# Altium PCB SoDeRa-PCIe_1v0.PcbDoc (part 5 of 8) (continued)
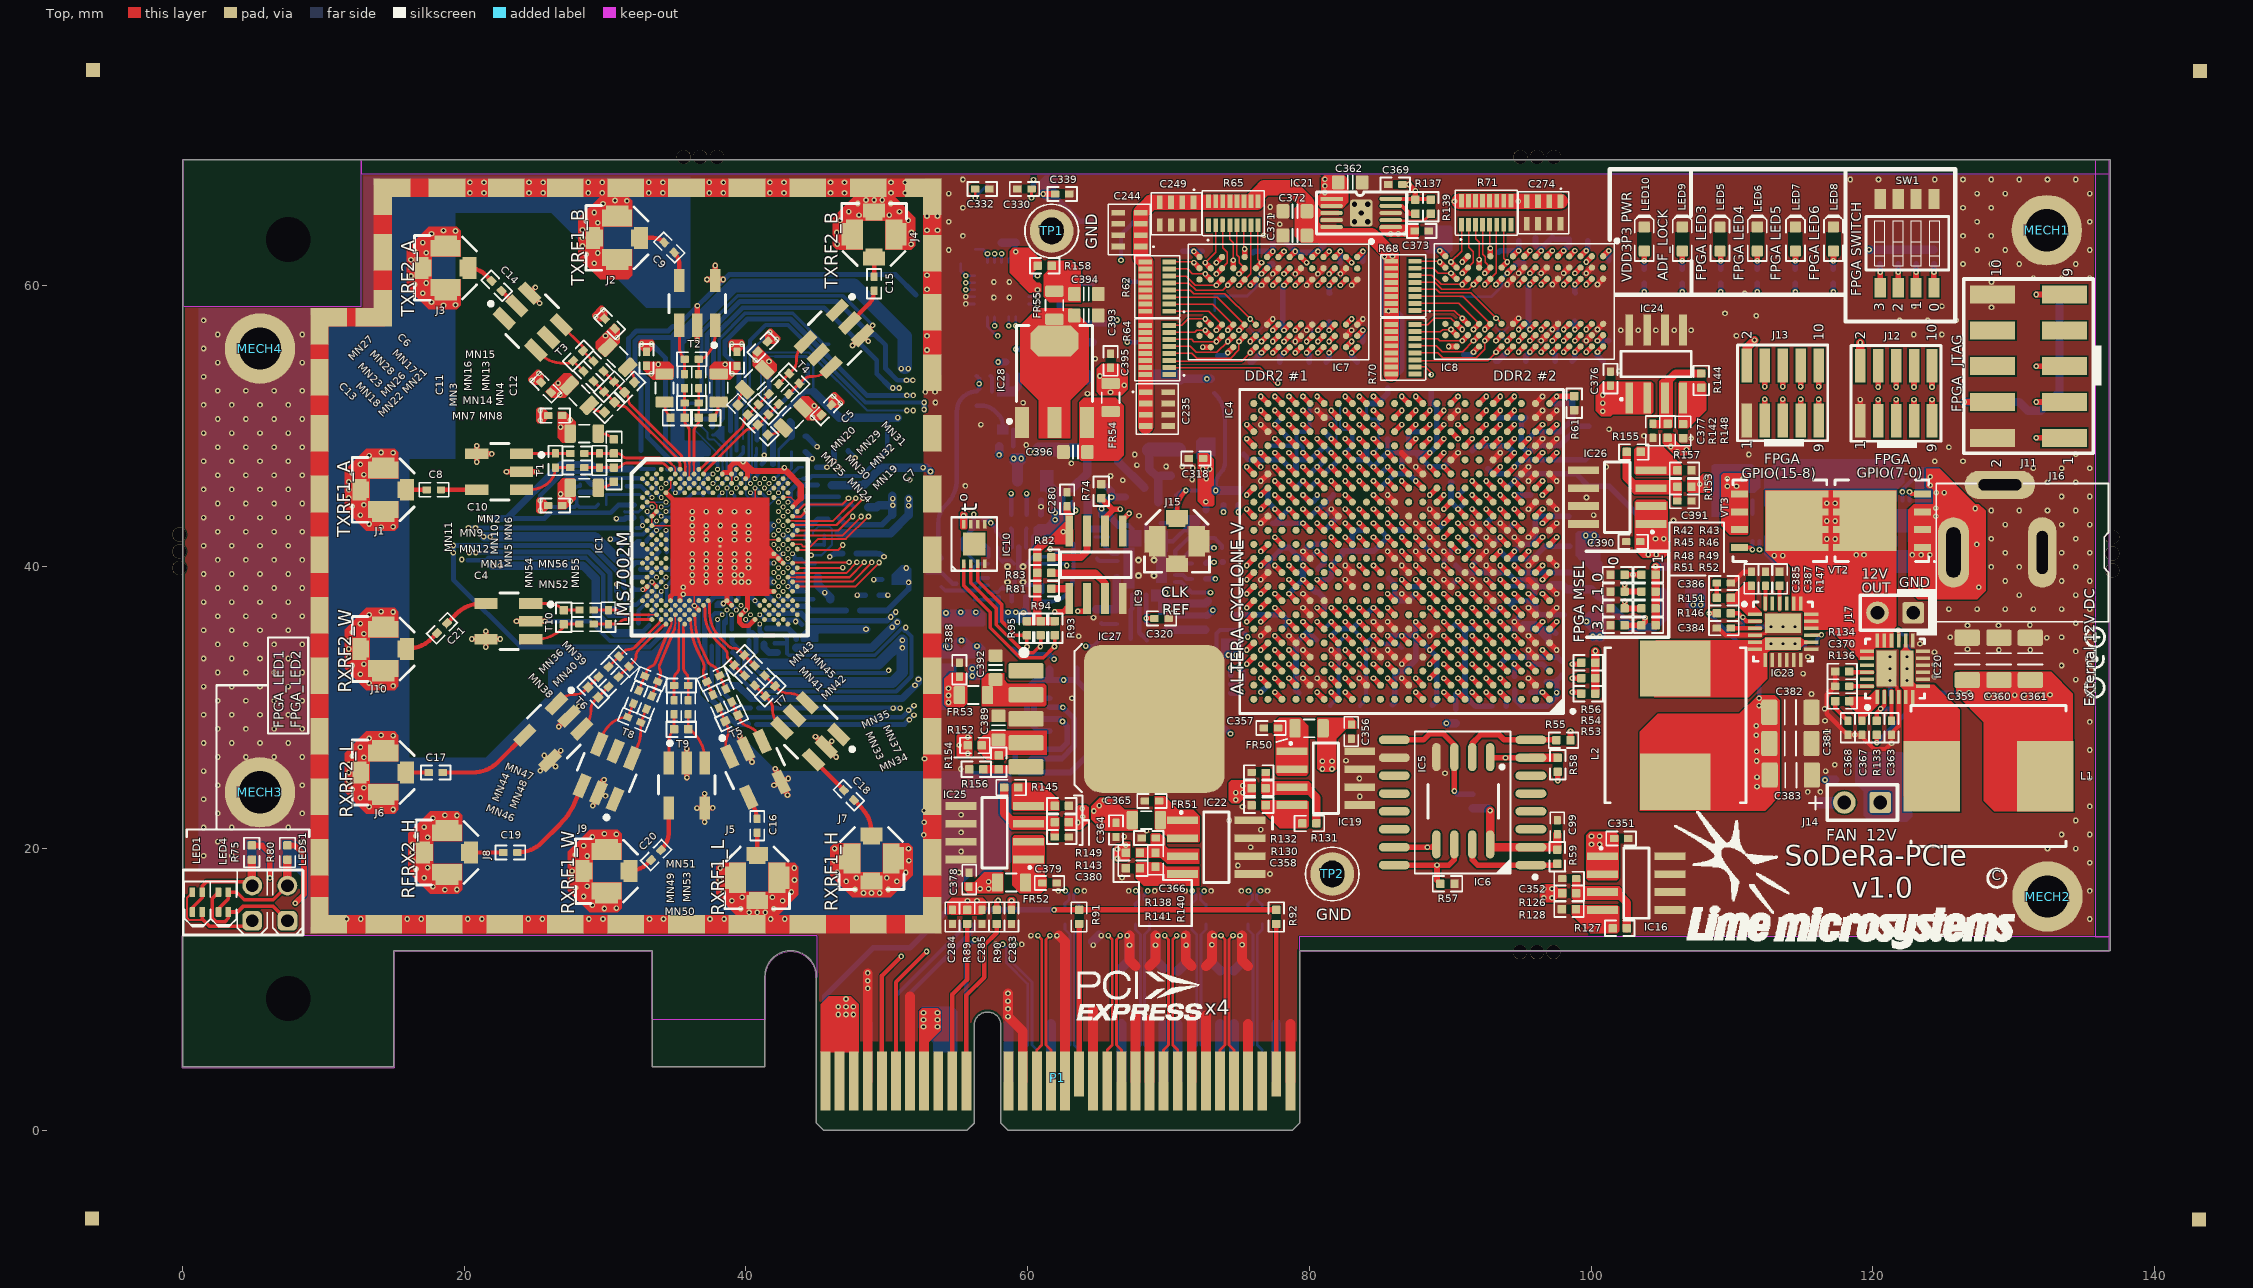
[diagram p0: Top view]
## Nets (pads, with @x,y where several pads share a name; then routed paths per layer and width w, separated by ;. In a path a pad name is that pad's centre, name@x,y a point inside that pad or via, vN(x,y) a via of type N, cw(c..) or ccw(c..) an arc to the next point about the centre after c; other vN are vias at no path point) (continued)
  L8 w0.1: v3(40.979,45.928) 40.979,38.171 42,37.15 49.75,37.15 50.3,37.7 55.525,37.7 55.9,37.325 55.9,35.883 61.758,30.025 v1(62.5,30.025)
  L9 w0.1: v3(40.979,45.928) v3@40.987,45.936
  Bottom w0.4: R14.2@60.125,26.225 60.3,26.4 IC2.5@61.55,26.4 62.425,26.4 63.3,27.275 63.3,29.225 v1(62.5,30.025) IC3.5@61.55,30.025
LMS_MCLK1: IC1.AB34 IC4.K10 | length 55.1
  Top w0.15: IC1.AB34@43.643,39.934 46.875,39.934 v1@46.959,39.934
  Top w0.4: v1(87.55,40.1) IC4.K10@88.05,39.6
  L4 w0.1: v1(46.875,39.95) 46.575,40.25 46.575,40.472 47.528,41.425 58.108,41.425 58.683,40.85 59.25,40.85 59.825,41.425 60.3,41.425 60.875,40.85 61.675,40.85 62.25,41.425 62.7,41.425 63.275,40.85 63.75,40.85 64.325,41.425 64.8,41.425 65.375,40.85 65.825,40.85 66.4,41.425 66.65,41.425 66.9,41.175 67.175,41.175 67.7,41.7 68.881,41.7 69.631,40.95 69.975,40.95 70.025,40.95 ccw(c70.025,41.3) 70.375,41.3 cw(c70.775,41.3) 70.775,41.7 cw(c70.775,41.3) 71.175,41.3 ccw(c71.525,41.3) 71.525,40.95 71.625,40.95 ccw(c71.625,41.3) 71.975,41.3 cw(c72.375,41.3) 72.375,41.7 cw(c72.375,41.3) 72.775,41.3 ccw(c73.125,41.3) 73.125,40.95 73.425,40.95 73.475,40.95 ccw(c73.475,41.3) 73.825,41.3 cw(c74.225,41.3) 74.225,41.7 cw(c74.225,41.3) 74.625,41.3 ccw(c74.975,41.3) 74.975,40.95 75.425,40.95 75.85,40.95 76.45,41.55 76.9,41.55 77.375,41.55 77.975,41.55 cw(c77.975,41.35) 78.175,41.35 ccw(c78.575,41.35) 78.575,40.95 ccw(c78.575,41.35) 78.975,41.35 cw(c79.175,41.35) 79.175,41.55 79.375,41.55 80.595,41.55 80.9,41.245 80.9,40.825 81.275,40.45 81.625,40.45 81.725,40.45 ccw(c81.725,40.75) 82.025,40.75 cw(c82.425,40.75) 82.425,41.15 cw(c82.425,40.75) 82.825,40.75 ccw(c83.125,40.75) 83.125,40.45 83.325,40.45 ccw(c83.325,40.75) 83.625,40.75 cw(c84.025,40.75) 84.025,41.15 cw(c84.025,40.75) 84.425,40.75 ccw(c84.725,40.75) 84.725,40.45 85.1,40.45 85.35,40.2 85.35,39.875 85.575,39.65 87.1,39.65 v1(87.55,40.1)
LMS_MCLK2: IC1.P34 IC4.M8 | length 59.2
  Top w0.15: IC1.P34@43.643,42.598 46.573,42.598 47.562,43.588 v1@47.575,43.6
  Top w0.4: IC4.M8@90.05,41.6 v1(90.55,41.1)
  L4 w0.1: v1(47.575,43.575) 47.925,43.925 48.875,43.925 49.2,43.6 49.2,42.65 49.725,42.125 51.025,42.125 ccw(c51.025,42.525) 51.425,42.525 cw(c51.825,42.525) 51.825,42.925 cw(c51.825,42.525) 52.225,42.525 ccw(c52.625,42.525) 52.625,42.125 ccw(c52.625,42.525) 53.025,42.525 cw(c53.425,42.525) 53.425,42.925 cw(c53.425,42.525) 53.825,42.525 ccw(c54.225,42.525) 54.225,42.125 ccw(c54.225,42.525) 54.625,42.525 cw(c55.025,42.525) 55.025,42.925 cw(c55.025,42.525) 55.425,42.525 ccw(c55.825,42.525) 55.825,42.125 ccw(c55.825,42.525) 56.225,42.525 cw(c56.625,42.525) 56.625,42.925 cw(c56.625,42.525) 57.025,42.525 ccw(c57.425,42.525) 57.425,42.125 57.825,42.125 57.95,42.125 67.276,42.125 68.701,43.55 69.15,43.55 69.55,43.55 69.95,43.55 cw(c69.95,43.15) 70.35,43.15 70.35,43.05 ccw(c70.75,43.05) 70.75,42.65 ccw(c70.75,43.05) 71.15,43.05 71.15,43.15 cw(c71.55,43.15) 71.55,43.55 cw(c71.55,43.15) 71.95,43.15 71.95,43.05 ccw(c72.35,43.05) 72.35,42.65 ccw(c72.35,43.05) 72.75,43.05 72.75,43.15 cw(c73.15,43.15) 73.15,43.55 cw(c73.15,43.15) 73.55,43.15 73.55,43.05 ccw(c73.95,43.05) 73.95,42.65 ccw(c73.95,43.05) 74.35,43.05 74.35,43.15 cw(c74.75,43.15) 74.75,43.55 cw(c74.75,43.15) 75.15,43.15 75.15,43.05 ccw(c75.55,43.05) 75.55,42.65 ccw(c75.55,43.05) 75.95,43.05 75.95,43.15 cw(c76.35,43.15) 76.35,43.55 76.6,43.55 79.595,43.55 81.395,41.75 85.122,41.75 85.322,41.55 90.1,41.55 v1(90.55,41.1)
LMS_RESET: IC1.E27 IC4.A1 R7.1 | length 68.2
  Top w0.4: v1(96.55,31.1) IC4.A1@97.05,30.6
  L8 w0.1: v3(41.312,45.595) 46.934,45.595 47.377,46.038 49,46.038 49.213,45.825 52.024,45.825 56.224,41.625 67.611,41.625 68.436,42.45 91.695,42.45 92.9,41.245 92.9,37.955 92.2,37.255 92.2,36.955 96.55,32.605 v1(96.55,31.1)
  Bottom w0.4: R7.1@95.725,31.1 v1(96.55,31.1)
LMS_RXEN: IC1.V34 IC4.C2 R3.2 | length 60.3
  Top w0.15: IC1.V34@43.643,41.266 43.643,41.201 46.551,41.201 v1@46.875,41.525
  Top w0.4: v1(95.55,33.1) IC4.C2@96.05,32.6
  L8 w0.1: v1@46.875,41.525 46.925,41.475 52.162,41.475 58.912,34.725 64.27,34.725 64.545,34.45 82.695,34.45 86.845,30.3 93.245,30.3 94.9,31.955 94.9,32.45 v1(95.55,33.1)
  Bottom w0.4: v1(95.55,33.1) 96.55,33.1 R3.2@96.825,32.825
  other v1: 46.875,41.55
LMS_TXEN: IC1.U29 IC4.A7 R6.2 | length 59.3
  Top w0.4: v1(90.55,31.1) IC4.A7@91.05,30.6
  L4 w0.1: v3(41.978,41.599) 41.4,41.021 41.4,37.821 42.496,36.725 48.597,36.725 50.172,35.15 57.45,35.15 60.016,32.584 72.259,32.584 73.9,34.225 74.93,34.225 76.405,32.75 84.4,32.75 85.4,31.75 89.395,31.75 90.045,31.1 v1(90.55,31.1)
  Bottom w0.4: R6.2@90.4,29.9 90.4,30.95 v1(90.55,31.1)
LMS_TXNRX1: IC1.V32 IC4.C3 R5.2 | length 59.3
  Top w0.4: v1(94.55,33.1) IC4.C3@95.05,32.6
  L4 w0.1: v3(42.977,41.266) 43.161,41.45 44.85,41.45 45.3,41.9 67.334,41.9 67.884,42.45 75.625,42.45 80.412,42.45 81.312,41.55 84.605,41.55 85.405,40.75 89.395,40.75 91.1,39.045 91.1,38.045 92.1,37.045 92.1,35.045 94.045,33.1 v1(94.55,33.1)
  Bottom w0.4: v1(94.55,33.1) 94.55,32.25 R5.2@94.575,32.225
LMS_TXNRX2: IC1.U31 IC4.A4 R2.2 | length 58.5
  Top w0.4: v1(93.55,31.1) IC4.A4@94.05,30.6
  L9 w0.1: v3(42.644,41.599) 44.137,41.599 44.279,41.456 46.144,41.456 46.525,41.075 61.05,41.075 62.55,39.575 63.5,39.575 63.7,39.775 72.2,39.775 73.225,38.75 79.395,38.75 81.395,36.75 87.395,36.75 91.495,32.65 93.495,32.65 93.9,32.245 93.9,31.45 v1(93.55,31.1)
  Bottom w0.4: v1(93.55,31.1) 93.975,30.675 R2.2@93.975,30.1
MSEL0: IC4.T6 R42.1 R43.2 | length 16.9
  Top w0.4: v1(91.55,46.1) IC4.T6@92.05,45.6 ; R42.1@102.375,39.45 v1(102.975,39.45) R43.2@103.575,39.45
  L4 w0.1: v1(91.55,46.1) 92.05,46.6 96.545,46.6 102.975,40.17 v1(102.975,39.45)
MSEL1: IC4.P5 R45.1 R46.2 | length 14.7
  Top w0.4: v1(92.55,44.1) IC4.P5@93.05,43.6 ; v1(102.375,38.75) R45.1@102.375,38.25 R46.2@103.575,38.25
  L4 w0.1: v1(92.55,44.1) 92.9,44.45 95.705,44.45 101.405,38.75 v1(102.375,38.75)
MSEL2: IC4.R5 R48.1 R49.2 | length 16.9
  Top w0.4: v1(92.55,45.1) IC4.R5@93.05,44.6 ; v1(102.375,37.55) R48.1@102.375,37.05 R49.2@103.575,37.05
  L4 w0.1: v1(92.55,45.1) 92.9,45.45 95.705,45.45 102.055,39.1 102.52,39.1 102.725,38.895 102.725,37.9 v1(102.375,37.55)
MSEL3: IC4.P4 R51.1 R52.2 | length 16
  Top w0.4: v1(93.55,44.1) IC4.P4@94.05,43.6 ; R51.1@102.375,35.85 R52.2@103.575,35.85 103.825,36.1 v1(103.825,36.4)
  L4 w0.1: v1(93.55,44.1) 93.9,43.75 95.395,43.75 102.745,36.4 v1(103.825,36.4)
NetC1_1: C1.1 IC1.C29 R11.1 | length 4.6
  Bottom w0.2: v3(41.978,46.261) 42.094,46.376 42.182,46.376 42.324,46.518 42.324,48.331 43.124,49.131 R11.1@43.124,49.206
  Bottom w0.5: C1.1@43.125,50.324 43.225,50.224 R11.1@43.225,49.275
NetC8_1: C8.1 J1.1 | length 1.5
  Top w0.309: J1.1@15.85,45.475 J1.1@15.95,45.475 C8.1@17.35,45.475
NetC8_2: C8.2 T1.4 | length 2.5
  Top w0.309: C8.2@18.35,45.475 T1.4@20.882,45.475
NetC9_1: C9.1 J2.1 | length 1.8
  Top w0.309: J2.1@32.45,63.36 33.396,63.36 cw(c33.396,62.228) C9.1@34.196,63.029
NetC9_2: C9.2 T2.4 | length 2.1
  Top w0.309: C9.2@34.904,62.321 cw(c34.008,61.426) 35.274,61.426 T2.4@35.274,60.331
NetC14_1: C14.1 J3.1 | length 2
  Top w0.309: J3.1@20.275,61.225 cw(c20.275,59.414) 20.278,61.225 cw(c20.275,59.414) 21.555,60.695 C14.1@21.946,60.304
NetC14_2: C14.2 T3.2 | length 2
  Top w0.309: C14.2@22.604,59.646 23.714,58.536 T3.2@23.735,58.536 T3.2@23.424,58.846
NetC15_1: C15.1 J4.1 | length 1.4
  Top w0.309: C15.1@49.1,60.6 J4.1@49.1,61.9 J4.1@49.1,62
NetC15_2: C15.2 T4.2 | length 2.9
  Top w0.309: T4.2@47.38,57.324 48.707,58.65 ccw(c47.757,59.6) C15.2@49.1,59.6
NetC16_1: C16.1 J5.1 | length 1.6
  Top w0.309: J5.1@40.8,19.525 J5.1@40.8,19.625 C16.1@40.8,21.125
NetC16_2: C16.2 T5.6 | length 1.7
  Top w0.309: T5.6@40.194,23.658 40.675,22.7 C16.2@40.8,22.125
NetC17_1: C17.1 J6.1 | length 1.6
  Top w0.309: J6.1@15.85,25.4 C17.1@17.475,25.4
NetC17_2: C17.2 T6.6 | length 6.8
  Top w0.309: C17.2@18.475,25.4 20.6,25.4 ccw(c20.6,27.94) 22.396,26.144 T6.6@24.3,28.048
NetC18_1: C18.1 J7.1 | length 3
  Top w0.309: C18.1@47.662,23.442 48.172,22.931 cw(c46.376,21.135) 48.916,21.135 J7.1@48.916,21 J7.1@48.916,20.9
NetC18_2: C18.2 T7.3 | length 3.1
  Top w0.309: T7.3@44.773,26.331 T7.3@44.798,26.306 ; T7.3@44.822,26.281 T7.3@44.798,26.306 ; C18.2@46.955,24.149 T7.3@44.798,26.306
NetC19_1: C19.1 J8.1 | length 2.4
  Top w0.309: J8.1@20.375,19.725 C19.1@22.775,19.725
NetC19_2: C19.2 T8.3 | length 6.9
  Top w0.309: C19.2@23.775,19.725 ccw(c23.775,22.2) 25.525,20.45 26.775,21.7 27.375,22.4 27.675,22.9 T8.3@28.356,24.462
NetC20_1: C20.1 J9.1 | length 1.9
  Top w0.309: J9.1@31.6,18.4 ccw(c31.6,20.512) 33.094,19.019 C20.1@33.263,19.188
NetC20_2: C20.2 T9.6 | length 3.5
  Top w0.309: C20.2@33.97,19.895 ccw(c32.62,21.245) 34.529,21.245 T9.6@34.529,22.893 T9.6@34.529,22.516
NetC21_1: C21.1 J10.1 | length 2.6
  Top w0.309: J10.1@15.85,34.175 15.893,34.175 ccw(c15.893,36.715) J10.1@15.95,34.175 ccw(c15.893,36.715) 17.689,34.919 C21.1@18.069,35.299
NetC21_2: C21.2 T10.6 | length 3.2
  Top w0.309: C21.2@18.776,36.006 19.433,36.663 cw(c21.229,34.867) 21.229,37.407 T10.6@21.541,37.407
NetC22_1: C22.1 C23.1 IC1.AH30 R23.2 | length 2.6
  Bottom w0.3: v3(42.311,37.936) 42.54,37.706 R23.2@44.774,37.706
NetC24_1: C24.1 C25.1 IC1.T32 R19.2 | length 4.7
  Top w0.11: IC1.T32@42.98,41.929 44.302,41.929 v1(44.424,41.806)
  Bottom w0.11: C24.1@45.574,41.651 R19.2@45.574,42.256
  Bottom w0.25: C25.1@44.194,42.356 44.194,42.036 44.674,41.556 45.479,41.556 C24.1@45.544,41.621 ; C24.1@45.544,41.531 C24.1@45.544,41.621 ; R19.2@45.574,42.256 45.544,42.226 C24.1@45.544,41.621
NetC26_1: C26.1 C27.1 IC1.AE29 R20.1 | length 8.7
  Bottom w0.3: C27.1@40.699,39.176 41.736,39.176 v3(41.978,38.935)
  Bottom w0.4: 41.124,39.106 41.124,38.406 42.319,37.211 44.319,37.211 44.63,36.9 R20.1@47.1,36.9
NetC28_1: C28.1 C29.1 IC1.R31 R16.1 | length 4.1
  Bottom w0.35: v3(42.644,42.265) 42.777,42.131
  Bottom w0.37: 42.777,42.131 42.792,42.116 43.209,42.116 43.524,42.431 C29.1@43.524,42.984 44.701,42.984 45.124,43.406 R16.1@45.824,43.406
NetC30_1: C30.1 C31.1 IC1.W31 R24.2 | length 2.6
  Bottom w0.2: C30.1@40.679,41.481 41.299,41.481 R24.2@41.374,41.556
  Bottom w0.25: R24.2@41.374,41.556 41.374,41.531 41.694,41.211 41.8,41.211 42.276,40.735 C31.1@42.276,40.629
  Bottom w0.3: C31.1@42.276,40.629 42.579,40.933 v3(42.644,40.933)
NetC32_1: C32.1 C33.1 IC1.H32 R21.2 | length 3.3
  Bottom w0.35: C32.1@43.425,44.636 43.018,44.636 43.169,44.788 43.169,45.435 43.54,45.806 R21.2@45.074,45.806
  other v3: 42.977,44.596
NetC34_1: C34.1 C35.1 IC1.W33 R17.2 | length 2
  Bottom w0.3: v3(43.31,40.933) 43.449,40.794 C35.1@43.449,40.536 43.949,40.536 44.224,40.261 C34.1@44.229,40.256 R17.2@44.899,40.256
NetC36_1: C36.1 C37.1 IC1.AA29 R22.1 | length 12.7
  L8 w0.35: v3(41.978,40.267) 41.978,40.237 41.528,39.787 41.528,38.082 42.125,37.486 46.661,37.486 48.275,39.1 v1(49.075,39.1)
  Bottom w0.3: C37.1@40.699,40.276 40.709,40.267 v3(41.978,40.267)
  Bottom w0.35: v1(49.075,39.1) R22.1@49.65,39.1
NetC38_1: C38.1 C39.1 IC1.L33 R18.1 | length 5
  Top w0.2: IC1.L33@43.31,43.597 43.31,43.555 43.88,43.555 44.275,43.95 v1(44.275,44.025)
  Bottom w0.3: v1(44.275,44.025) 44.449,44.199 C39.1@44.449,44.426 45.224,44.426 45.949,44.426 45.95,44.425 47.461,44.425 47.463,44.426 47.499,44.426 R18.1@47.675,44.25
NetC40_1: C40.1 FR2.2 IC1.C25 | length 1.4
  Bottom w0.25: v3(40.646,46.261) 40.646,46.348 41.024,46.726 FR2.2@41.824,46.726
NetC41_1: C41.1 IC1.D24 R25.1 | length 2.7
  Bottom w0.22: v3(40.313,45.928) 40.261,45.98 40.261,46.518 40.694,46.951 C41.1@40.694,47.931 ; C41.1@40.744,47.931 R25.1@40.744,48.446
NetC42_1: C42.1 FR1.1 IC1.F8 R26.1 | length 3.5
  Bottom w0.25: R26.1@34.799,45.751 34.799,45.448 v3(34.985,45.262)
  Bottom w0.35: FR1.1@34.424,46.951 C42.1@35.2,46.951 35.449,46.701 35.449,45.506 35.204,45.262 v3(34.985,45.262)
NetC43_1: C43.1 FR4.2 IC1.F24 | length 1.6
  Bottom w0.3: v3(40.313,45.262) 40.378,45.262 40.833,44.806 C43.1@40.919,44.806 FR4.2@40.919,44.031
NetC44_1: C44.1 FR7.1 IC1.E21 | length 53.4
  L4 w0.7: v1(51.85,53.25) 51.75,53.35 50.156,53.35 49.775,52.969 49.775,52.431 49.803,52.403 49.775,52.375 50.9,51.25 v1@51.931,51.25
  Bottom w0.15: v3(39.314,45.595) 39.753,46.034 39.753,46.71 40.199,47.156 40.199,50.817 41.055,51.673 41.055,54.853 41.428,55.225 44.475,55.225 48.6,51.1 v1(51.425,51.1) v1(51.875,51.1) v1@51.975,51.1
  Bottom w0.35: C44.1@36.781,51.071 37.465,51.071 FR7.1@37.486,51.05 37.486,53.606 37.244,53.848 37.244,56.514 39.58,58.85 46.475,58.85 48.831,56.494 49.156,56.494 49.912,55.738 49.912,54.088 50.75,53.25 v1(51.4,53.25) v1(51.85,53.25)
NetC45_1: C45.1 FR6.1 IC1.D16 | length 7
  Bottom w0.15: C45.1@36.063,51.05 36.063,50.748 FR6.1@36.325,50.486 36.325,50.474 37.275,49.523 37.275,49.153 37.377,49.05 37.725,49.05 38.332,48.443 38.332,46.607
  Bottom w0.17: v3(37.65,45.925) 38.332,46.607 38.342,46.617 38.342,47.076 38.336,47.082
NetC46_1: C46.1 FR3.1 IC1.E17 | length 4.7
  Bottom w0.2: FR3.1@37.625,49.375 37.83,49.375 C46.1@38.275,49.82 ; v3(37.982,45.595) 38.632,46.245 38.632,48.643 38.225,49.05
NetC47_1: C47.1 FR5.2 IC1.AL21 | length 13.4
  Bottom w0.35: 38.924,37.781 38.924,37.327 v3(39.314,36.937)
  Bottom w0.4: 38.894,37.731 38.719,37.906 37.773,37.906 37.074,37.207 37.074,31.051 39.037,29.088 39.067,29.088 39.304,28.85 FR5.2@40.175,28.85
NetC48_1: C48.1 FR12.1 IC1.G3 | length 2.1
  Bottom w0.3: FR12.1@31.524,45.726 32.538,45.726 33.32,44.944 v3(33.32,44.929)
NetC49_1: C49.1 FR9.2 IC1.M4 | length 3.6
  Bottom w0.3: FR9.2@31.169,41.206 31.169,41.494 31.429,41.754 C49.1@31.429,41.956 31.779,42.306 32.696,42.306 v3(33.653,43.264)
NetC50_1: C50.1 FR10.2 IC1.H6 | length 5.2
  Bottom w0.11: 33.029,44.596 v3(34.319,44.596)
  Bottom w0.2: C50.1@30.079,44.431 30.079,45.146 FR10.2@30.075,45.15 32.475,45.15 33.029,44.596
NetC51_1: C51.1 FR8.1 IC1.B16 | length 2.4
  Bottom w0.25: C51.1@37.531,45.256 37.369,45.256 36.794,45.831 36.794,45.951 37.129,46.286 FR8.1@37.129,46.581 37.637,46.581 v3(37.649,46.594)
NetC52_1: C52.1 FR10.1 R27.1 | length 1.4
  Bottom w0.4: C52.1@28.231,45.296 28.238,45.303 29.046,45.303 29.362,45.303 FR10.1@29.515,45.15
NetC53_1: C53.1 FR11.1 IC1.A17 | length 1.3
  Bottom w0.25: FR11.1@37.199,47.401 C53.1@37.974,47.401 37.982,47.393 v3(37.982,46.927)
NetC54_1: C54.1 FR13.1 IC1.E19 | length 4.4
  Bottom w0.11: C54.1@38.648,44.781 v3(38.648,45.595)
  Bottom w0.15: v3@38.594,45.649 v3(38.648,45.595)
  Bottom w0.2: v3(38.648,45.595) 38.932,45.879 FR13.1@38.932,48.968
NetC55_1: C55.1 IC1.J3 R30.1 | length 2.2
  Bottom w0.19: R30.1@32.604,44.281 32.622,44.3 33.283,44.3 v3(33.32,44.263)
  Bottom w0.2: C55.1@31.375,43.925 31.394,43.906 32.381,43.906 32.604,44.129 R30.1@32.604,44.281
NetC56_1: C56.1 FR17.1 IC1.C21 | length 2.5
  Bottom w0.24: v3(39.314,46.261) 39.252,46.323 39.252,47.604 FR17.1@39.349,47.701
  Bottom w0.25: FR17.1@39.349,47.701 39.407,47.701 39.794,48.088 C56.1@39.794,48.519
NetC57_1: C57.1 IC1.F20 R29.2 | length 1.4
  Bottom w0.25: v3(38.981,45.262) 39.219,45.024 39.219,44.561 R29.2@39.674,44.106
NetC58_2: C58.2 FR14.2 IC1.K6 R28.2 | length 3.3
  Bottom w0.27: v3(34.319,43.93) 34.53,43.93 34.691,44.091 35.161,44.091 35.529,44.459 35.529,44.556 35.529,44.563 FR14.2@36.199,45.233 36.827,45.233 C58.2@36.949,45.111
NetC59_1: C59.1 FR16.2 FR18.2 IC1.L5 R31.2 | length 4.2
  L4 w0.35: v3(33.986,43.597) 34.319,43.264 v3(34.319,42.598)
  Bottom w0.3: R31.2@33.701,43.929 33.986,43.644 v3(33.986,43.597) 34.078,43.505 34.767,43.505 C59.1@34.944,43.681
  Bottom w0.35: v3(34.319,42.598) 34.375,42.542 FR16.2@34.375,41.05
NetC60_1: C60.1 FR15.1 IC1.AN23 | length 2.7
  Bottom w0.3: v3(39.98,36.271) 40.199,36.052 C60.1@40.199,35.336
  Bottom w0.35: C60.1@40.224,35.336 40.473,35.336 40.724,35.085 FR15.1@40.724,33.981
NetC61_1: C61.1 FR20.2 IC1.G5 | length 1.7
  Bottom w0.2: FR20.2@33.476,46.389 33.606,46.259 33.606,45.343 C61.1@33.572,45.343
  Bottom w0.3: C61.1@33.572,45.343 v3(33.986,44.929)
NetC62_1: C62.1 FR21.2 IC1.N1 | length 1.1
  Bottom w0.3: FR21.2@32.231,42.769 32.492,42.769 v3(32.654,42.931) 32.654,43.456 C62.1@32.604,43.506
NetC63_1: C63.1 FR19.1 IC1.AM18 | length 2.3
  Bottom w0.31: FR19.1@37.549,35.061 37.549,36.456 37.799,36.706 38.212,36.706 v3(38.315,36.604)
NetC64_1: C64.1 IC1.AL19 R32.2 | length 3.5
  Bottom w0.11: v3(38.648,36.937) 38.649,36.331
  Bottom w0.3: C64.1@38.444,33.156 38.444,35.926 38.504,35.986
NetC65_1: C65.1 FR20.1 R33.1 | length 1.6
  Bottom w0.3: R33.1@32.55,46.946 32.553,46.949 FR20.1@33.476,46.949 ; R33.1@32.554,47.016 C65.1@32.554,47.706
NetC66_1: C66.1 FR22.1 IC1.AM20 | length 1
  Bottom w0.3: FR22.1@38.994,35.556 v3@38.994,36.591
  other v3: 38.981,36.604
NetC67_1: C67.1 FR27.2 IC1.AD6 | length 3.8
  Bottom w0.3: 32.379,36.912 33.124,37.657 33.124,37.665 33.499,38.04 33.499,38.448 v3(34.319,39.268)
  Bottom w0.35: FR27.2@32.379,36.025 C67.1@32.379,36.706
NetC68_1: C68.1 FR23.2 IC1.AE3 IC1.AF4 | length 4.5
  Top w0.3: v3(33.32,38.935) IC1.AF4@33.653,38.602
  Bottom w0.3: FR23.2@30.27,37.086 31.149,37.086 31.429,37.086 31.649,37.306 32.208,37.306 32.724,37.823 ; 32.75,37.856 33.099,38.205 33.099,38.714 v3(33.32,38.935)
NetC69_1: C69.1 FR24.1 FR25.1 IC1.AN17 | length 7.9
  Bottom w0.34: v3(37.982,36.271) 38.024,36.229 FR24.1@38.024,31.506 ; FR24.1@38.032,31.593 38.032,31.423 39.48,29.975 FR25.1@40.345,29.975
NetC70_1: C70.1 FR26.1 IC1.AJ25 | length 1
  Bottom w0.35: C70.1@40.142,37.831 40.417,37.831 v3(40.646,37.603) 40.653,37.603 FR26.1@40.926,37.329
NetC71_1: C71.1 FR28.2 IC1.AG5 | length 2.7
  Bottom w0.35: FR28.2@33.134,36.421 33.549,36.836 ; C71.1@33.839,36.421 33.549,36.711 33.549,36.836 ; v3@33.974,38.281 33.924,38.231 33.924,37.856 33.874,37.806 33.866,37.806 33.549,37.489 33.549,37.481 33.549,36.836
  other v3: 33.986,38.269
NetC72_1: C72.1 FR30.2 IC1.P4 | length 1.7
  Bottom w0.35: FR30.2@32.956,41.794 32.956,41.901 v3(33.653,42.598) 34.104,43.049 C72.1@34.119,43.049
NetC73_1: C73.1 FR29.1 IC1.AP26 | length 1.7
  Bottom w0.3: v3(40.979,35.938) 40.979,35.431 FR29.1@41.274,35.136 C73.1@42.049,35.136
NetC74_1: C74.1 FR29.2 R34.2 | length 1.4
  Bottom w0.5: FR29.2@41.274,34.531 41.274,34.281 R34.2@41.624,33.931 C74.1@42.249,33.931
NetC75_1: C75.1 FR31.1 IC1.AM26 | length 1.4
  Bottom w0.3: v3(40.979,36.604) 41.346,36.236 FR31.1@41.499,36.236 C75.1@42.274,36.236
NetC76_1: C76.1 FR31.2 R35.2 | length 2.5
  Bottom w0.4: FR31.2@41.474,35.626 43.004,35.626 43.574,35.056 R35.2@43.574,34.861
NetC77_1: C77.1 FR32.1 IC1.AK22 | length 13.9
  L4 w0.35: v3(39.647,37.27) 39.764,37.387 40.226,37.387 40.46,37.153 41.322,37.153 42.9,35.575 v1(48.525,35.575)
  Bottom w0.6: 44.55,35.05 45.075,35.575 v1(48.525,35.575)
NetC78_1: C78.1 FR33.1 IC1.AF6 | length 1.9
  Bottom w0.25: FR33.1@34.274,37.481 34.386,37.593 34.386,38.535 v3(34.319,38.602) 34.749,39.031 C78.1@34.794,39.031 ; FR33.1@34.319,37.516 FR33.1@34.324,37.511
NetC79_1: C79.1 FR34.1 IC1.AD4 | length 1.8
  Bottom w0.3: FR34.1@31.974,39.276 31.983,39.268 33.052,39.268 33.144,39.36 33.496,39.36 33.588,39.268 v3(33.653,39.268)
NetC80_1: C80.1 FR35.1 IC1.AF2 | length 1.8
  Top w0.35: v3(32.674,38.381) 32.767,38.381 IC1.AF2@32.987,38.602
  Bottom w0.3: C80.1@31.954,37.856 31.954,38.506 32.02,38.506 32.145,38.381 v3(32.674,38.381)
NetC291_1: C291.1 C292.2 R99.2 | length 2.4
  Bottom w0.309: R99.2@52.85,39.6 53.875,39.6 54.675,38.8 C292.2@54.95,38.8
NetC291_2: C291.2 R97.1 R103.1 R104.1 R105.2 R107.1 R108.1 | length 46.7
  L10 w0.1: v1(56.55,53) 56.731,53.181 cw(c58.527,51.385) 58.527,53.925 72.3,53.925 cw(c72.3,52.875) 73.35,52.875 v1(73.35,45.425)
  Bottom w0.309: C291.2@53.9,40.625 cw(c54.504,41.229) 53.65,41.229 53.65,43.125 cw(c55.4,43.125) 54.163,44.363 54.231,44.431 ccw(c52.435,46.227) 54.975,46.227 54.975,51.05 cw(c56.375,51.05) R104.1@56.375,52.45 56.55,52.625 v1(56.55,53) 56.55,53.375 R103.1@56.375,53.55 ; R97.1@73.25,52.35 73.265,52.335 cw(c71.469,50.539) 74.009,50.539 74.009,47.411 cw(c73.039,47.411) 73.725,46.725 ccw(c74.63,45.82) 73.35,45.82 v1(73.35,45.425)
NetC292_1: C292.1 IC11.21 | length 1.4
  Bottom w0.25: C292.1@55.95,38.8 56.275,38.8 56.687,39.212 IC11.21@57.2,39.212
NetC293_2: C293.2 IC11.20 | length 3.6
  Bottom w0.25: C293.2@53.875,38.6 54.15,38.325 56.4,38.325 56.787,38.712 IC11.20@57.2,38.712
NetC296_2: C296.2 C297.2 FR40.1 R96.2 XT1.5 XT2.4 XT3.4 | length 6.8
  Bottom w0.6: XT1.5@68.625,48.3 68.625,46.95 69.275,46.3 R96.2@69.275,45.625 C297.2@69.275,44.575 ; 69.45,46.475 C296.2@70.175,46.475
  Bottom w1: XT1.5@68.625,48.3 68.65,48.325 XT2.4@70.725,48.325
NetC298_2: C298.2 IC12.6 IC12.7 IC12.8 R102.2 | length 2.9
  Bottom w0.5: R102.2@58.475,53.55 IC12.7@58.475,52.45 IC12.8@58.975,52.45 59.35,52.825 C298.2@59.35,53.55
NetC309_2: C309.2 C310.1 FR43.2 R109.2
NetC311_1: C311.1 FR45.2 IC13.4 | length 1.9
  Bottom w0.4: FR45.2@72.525,29.101 72.525,29.871 C311.1@72.511,29.885 72.511,31.011 IC13.4@72.525,31.025
NetC312_1: C312.1 IC14.5 | length 1.4
  Bottom w0.3: C312.1@65.3,41.625 66,40.925 IC14.5@66.375,40.925
NetC312_2: C312.2 C313.1 R110.2 | length 2.1
  Bottom w0.5: C313.1@64.25,41.625 64.25,42.625 R110.2@64.25,42.675 65.25,42.675 C312.2@65.3,42.625
NetC315_2: C315.2 C316.1 C317.1 FR44.2 IC14.6 IC14.7 | length 17.9
  L3 w0.1: v1(65.25,44.125) 65.95,44.125 v1(73.15,36.925)
  Bottom w0.3: FR44.2@66.95,42.95 67.175,42.95 67.425,42.7 IC14.6@67.425,41.825 IC14.7@67.925,41.825
  Bottom w0.4: C316.1@70.625,36.55 C317.1@72.625,36.55
  Bottom w0.5: v1@65.25,44.075 C315.2@65.25,43.675 65.725,43.675 66.45,42.95 FR44.2@66.95,42.95 ; C317.1@72.625,36.55 72.775,36.55 v1(73.15,36.925)
NetC320_2: C320.2 C321.1 IC14.18 R111.1 | length 2.8
  Top w0.3: v1(68.425,36.35) C320.2@69,36.35
  Bottom w0.3: IC14.18@68.425,38.025 68.425,36.025 C321.1@68.6,35.85
NetC322_1: C322.1 C323.2 R115.2 | length 2
  Bottom w0.3: C322.1@69.45,43.1 R115.2@70.5,43.1 C323.2@70.5,44.05
NetC322_2: C322.2 IC14.8 | length 1.2
  Bottom w0.3: IC14.8@68.425,41.825 C322.2@68.425,43.075
NetC324_2: C324.2 R113.2 R114.1 | length 13
  L5 w0.1: v1(63.4,44) 64.125,43.275 v1(64.125,34.375)
  Bottom w0.309: R114.1@63.165,44.582 63.165,44.569 ccw(c63.969,44.569) v1(63.4,44) ; v1(64.125,34.375) 64.675,34.375 C324.2@65.25,34.95 R113.2@66.3,34.95
NetC325_1: C325.1 R118.2 | length 1.1
  Bottom w0.3: R118.2@65.225,36 65.275,35.95 C325.1@66.325,35.95
NetC325_2: C325.2 C326.2 IC14.20 R113.1 | length 3.2
  Bottom w0.3: R113.1@67.325,34.9 C325.2@67.325,35.95 C326.2@67.325,36.95 67.425,37.05 IC14.20@67.425,38.025
NetC327_1: C327.1 IC14.4 | length 1.5
  Bottom w0.3: C327.1@64.925,40.575 65.075,40.425 IC14.4@66.375,40.425
NetC331_2: C331.2 IC14.12 R119.2 | length 4.5
  Bottom w0.3: IC14.12@70.475,40.425 70.85,40.425 71.65,41.225 R119.2@71.65,41.35 72.35,42.05 73.275,42.05 73.8,41.525 C331.2@73.8,41.35
NetC336_2: C336.2 C337.1 FR46.2 XT5.4 | length 2.7
  Bottom w0.6: C336.2@61.926,60.25 XT5.4@64.625,60.25
NetC338_2: C338.2 C339.1 FR47.2 XT6.4 | length 4.4
  Top w0.4: v1(61.1,66.475) 61.946,66.475 C339.1@61.948,66.476
  Bottom w0.4: C338.2@61.823,66.399 63.674,64.548 XT6.4@64.626,64.548
NetC340_2: C340.2 C341.1 FR48.2 XT7.4 | length 2.7
  Bottom w0.6: C340.2@61.928,55.948 XT7.4@64.626,55.948
NetC350_1: C350.1 IC18.2 J16.1 R123.2 VD1.1 VT2.1 VT2.2 VT2.3 | length 3.7
  Bottom w0.3: IC18.2@122.1,44.71 v1(122.1,45.325) 122.1,45.496 122.925,46.321 122.925,46.325
  Bottom w0.6: J16.1@125.725,41.025 C350.1@127.45,41.025
  other v1: 123.4,38.55 127.525,38.55 122.8,40.85 123.425,40.85 124.05,40.85 127.375,41.6 124.475,43.6 127.275,44.15 124.475,44.175 124.5,45.275 125.075,45.275 124.075,45.8 124.075,46.4
NetC352_2: C352.2 IC16.3 R126.2 R127.1 | length 3.8
  Top w0.6: R126.2@98.937,16.837 C352.2@98.937,17.738 ; IC16.3@101.784,16.916 102.538,16.163 R127.1@102.538,14.338
NetC354_1: C354.1 IC20.15 | length 1.4
  Top w0.25: IC20.15@121.824,34.776 v1@121.824,35.451
  Bottom w0.25: v1(121.799,35.501) 122.124,35.176 C354.1@122.424,35.176
NetC354_2: C354.2 IC20.5 IC20.6 IC20.7 IC20.14 IC20.26 L1.1
  other v4: 122.424,31.926 122.424,32.776 122.424,33.626
NetC357_2: C357.2 FR50.2 IC19.1 IC19.2
NetC358_2: C358.2 IC19.3 R130.2 R131.1 | length 3.8
  Top w0.6: R130.2@76.899,24.286 C358.2@76.899,25.187 ; IC19.3@79.746,24.365 80.499,23.612 R131.1@80.499,21.787
NetC363_1: C363.1 IC20.3 | length 2.1
  Top w0.309: C363.1@121.324,29.076 IC20.3@121.324,31.176
NetC365_2: C365.2 FR51.2 IC22.1 IC22.2
NetC366_2: C366.2 IC22.3 R138.2 R140.1 | length 1.1
  Top w0.6: R138.2@67.975,19.7 R140.1@69.075,19.7
NetC367_1: C367.1 IC20.1 R136.2
NetC368_1: C368.1 R136.1 | length 1.8
  Top w0.309: R136.1@117.324,30.476 117.324,29.976 C368.1@118.224,29.076
NetC370_1: C370.1 IC20.24 | length 1.7
  Top w0.309: C370.1@118.324,31.526 IC20.24@119.974,31.526
NetC374_1: C374.1 IC23.15 | length 1.5
  Top w0.25: IC23.15@115.625,35.15 116.325,35.15 v1(116.35,35.175)
  Bottom w0.25: C374.1@116.025,34.55 116.025,34.85 v1(116.35,35.175)
NetC374_2: C374.2 IC23.5 IC23.6 IC23.7 IC23.14 IC23.26 L2.1
  other v4: 112.775,34.55 113.625,34.55 114.475,34.55
NetC377_2: C377.2 IC24.3 R142.2 R144.1 | length 3.8
  Top w0.6: C377.2@104.428,50.128 R142.2@105.329,50.128 ; IC24.3@105.25,52.975 106.003,53.728 R144.1@107.828,53.728
NetC379_2: C379.2 FR52.2 IC25.1 IC25.2
NetC380_2: C380.2 IC25.3 R143.2 R145.1 | length 3.8
  Top w0.6: R145.1@58.326,24.339 58.326,22.514 IC25.3@59.079,21.76 ; C380.2@61.926,20.938 R143.2@61.926,21.839
NetC384_1: C384.1 IC23.3 | length 2.1
  Top w0.309: C384.1@109.925,35.65 IC23.3@112.025,35.65
NetC385_1: C385.1 IC23.1 R151.2
NetC386_1: C386.1 R151.1 | length 0.9
  Top w0.309: R151.1@108.925,37.893 C386.1@108.925,38.75
NetC387_1: C387.1 IC23.24 | length 1.7
  Top w0.309: IC23.24@112.375,37 C387.1@112.375,38.65
NetC389_2: C389.2 IC27.4 R152.2 R154.1
NetC391_2: C391.2 IC26.3 R153.2 R155.1 | length 3.8
  Top w0.6: R155.1@102.526,48.163 102.526,46.338 IC26.3@103.279,45.585 ; C391.2@106.126,44.763 R153.2@106.126,45.663